# Allegro board MB1225_REVB_160222_1K.brd (continued)
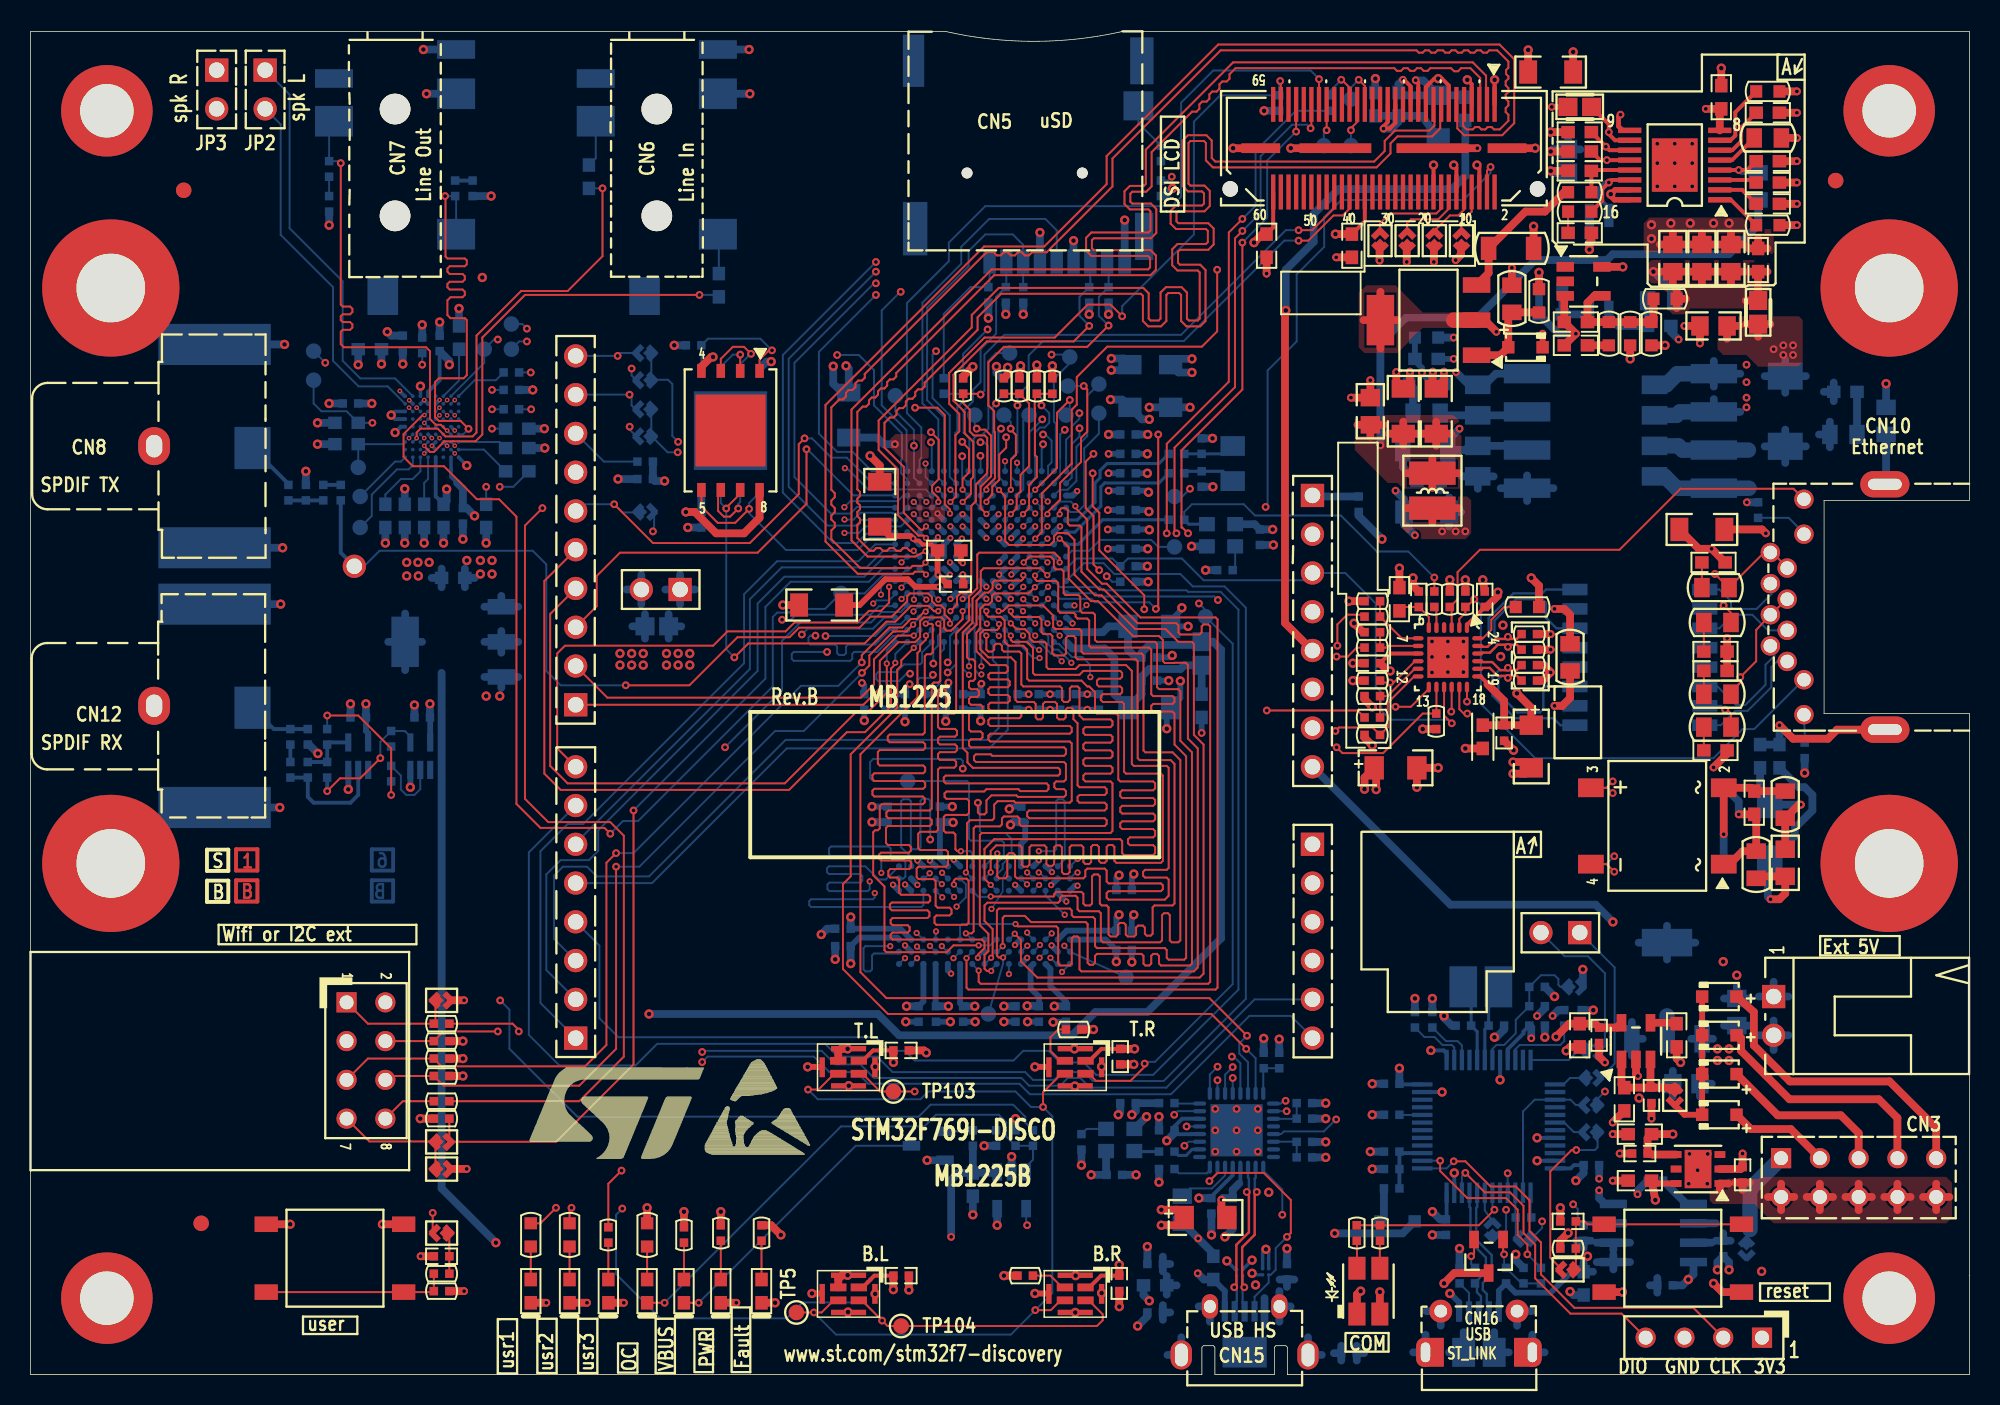
[diagram p0: board, top side]
## Routing (per net, layer and track width the routed paths; a pad name or vN(x,y) marks a point on that pad's centre or on a via; arc(x,y) is an arc through that point) (continued)
PC5: length 28.8
  TOP w0.127: R32.2 87.25,49.78 86.23,49.78 85.6,49.15 v2(85.6,47.75)
  L4_SIG w0.102: v3(65.01,48.42) 65.01,48.5 65.41,48.9 65.41,49.4 65.57,49.57 67.55,49.57 67.77,49.36 67.77,48.97 68.05,48.69 74.96,48.69 75.64,48.01 79.12,48.01 81.03,46.1 85.22,46.1 85.98,46.86 85.98,47.37 v2(85.6,47.75)
  BOTTOM w0.127: U13.P5 v3(65.01,48.42)
PC9: length 18.7
  TOP w0.127: U250.5 43.94,56.87 45.01,55.8 46.15,55.8 v2(47.07,56.72)
  BOTTOM w0.127: U12.5 47.75,57.78 47.07,57.1 v2(47.07,56.72) 47.07,56.44 49.48,54.03 54.18,54.03 54.97,54.81 57.05,54.81 U13.F14
PC10: length 21.3
  TOP w0.127: U250.2 v2(46.48,66.83)
  L4_SIG w0.102: v2(46.48,66.83) 46.56,66.83 47.57,65.81 49.86,65.81 50.85,66.8 v2(52.83,66.8)
  BOTTOM w0.127: U12.2 45.21,66.04 46,66.83 v2(46.48,66.83) ; v2(52.83,66.8) 54.25,66.8 55.24,65.81 55.24,63.5 57.07,61.67 57.07,59.97 57.02,59.92 57.02,59.05 57.43,58.65 U13.B14
PC11: length 110.8
  TOP w0.127: U8.4 54.45,4.86 v2(55.78,3.53) 56.13,3.17 TP104.1 69.85,3.17 70.23,3.56 70.23,3.94 69.31,4.86 U9.4
  L4_SIG w0.102: v2(57.86,60.86) 57.76,60.86 57.25,60.35 55.8,60.35 55.32,60.83 52.73,60.83 45.49,53.59 45.49,43.15 45.95,42.7 45.95,18.06 v2(38.76,10.87)
  BOTTOM w0.127: TP100.1 56.64,63.12 57.86,61.9 v2(57.86,60.86) 57.86,58.76 U13.B13 ; v2(55.78,3.53) 54.58,4.72 50.57,4.72 49.53,3.68 41.25,3.68 38.35,6.58 38.35,10.46 v2(38.76,10.87)
PC12: length 71
  TOP w0.127: v2(31.98,22.48) 31.98,22.58 31.57,22.99 R50.1
  L4_SIG w0.102: v2(31.98,22.48) 33.55,24.05 33.55,55.91 35.59,57.94 36.3,57.94 37.82,59.46 39.34,59.46 44.17,64.29 54.81,64.29 57,62.1 57.99,62.1 58.98,61.11 v2(58.98,61.09)
  BOTTOM w0.127: U13.A12 59.03,61.04 v2(58.98,61.09)
PC13: length 7.9
  BOTTOM w0.127: U13.D1 68.11,56.52 68.58,56.52 69.01,56.95 69.01,60.68 69.98,61.65 TP14.1
PC14: length 9.5
  BOTTOM w0.203: U13.E1 68.57,55.99 69.72,57.15 69.72,58.42 70.05,58.75 70.05,59.23 70.51,59.69 73.91,59.69 R97.2
PC15: length 9.1
  BOTTOM w0.203: U13.F1 68.4,55.19 70.1,56.9 70.1,58.17 70.36,58.42 73.91,58.42 R99.2
PD2: length 90.7
  TOP w0.127: v2(33.53,56.77) 32.38,55.63 32.38,37.72 33.91,36.2 37.97,36.2 38.86,35.31 38.86,20.83 35.94,17.91 R57.2 ; v3(59.46,57.18) 59.46,57.44 59.05,57.85 59.05,58.24 59.49,58.67 59.49,61.24 v2(58.98,61.75)
  L4_SIG w0.102: v2(58.98,61.75) 58.93,61.75 58.32,62.36 57.25,62.36 55.09,64.52 43.94,64.52 39.62,60.2 35.18,60.2 33.53,58.55 v2(33.53,56.77)
  BOTTOM w0.127: U13.D12 59.08,56.79 v3(59.46,57.18)
PD3: length 152.6
  TOP w0.127: U8.3 52.61,4.86 51.82,4.06 v2(51.31,4.06) TP5.1 ; v2(65.81,4.22) 66.83,4.22 67.47,4.86 U9.3 ; U5.3 52.65,19.71 51.61,18.67 v2(50.93,18.67) ; U6.3 67.53,19.71 66.32,18.49 v2(66.32,17.53)
  L4_SIG w0.102: v2(66.32,17.53) 66.7,17.91 73.66,17.91 74.42,17.14 74.42,16.51 75.44,15.49 75.95,15.49 76.71,14.73 76.71,14.35 77.34,13.72 82.42,13.72 83.95,15.24 83.95,16.89 84.33,17.27 85.22,17.27 85.6,17.65 85.6,28.07 90.17,32.64 90.17,44.07 89.53,44.7 89.53,48.97 85.72,52.78 85.72,55.37 84.95,56.15 83.05,56.15 81.34,57.86 80.31,57.86 79.98,57.53 76.45,57.53 v2(75.95,58.04) 75.64,58.34 67.11,58.34 66.65,58.8 62.53,58.8 62.41,58.67 60.45,58.67 60.11,58.33 60.1,58.33 59.89,58.12 59.89,58.12 59.77,57.99 v3(59.44,57.99)
  BOTTOM w0.127: U13.C11 v3(59.44,57.99) ; v2(51.31,4.06) 52.76,2.62 64.21,2.62 v2(65.81,4.22) 66.93,5.33 66.93,16.92 v2(66.32,17.53) 65.53,17.53 64.52,18.54 58.8,18.54 58.29,18.03 51.56,18.03 v2(50.93,18.67) ; TP102.1 75.44,57.53 v2(75.95,58.04)
PD4: length 115.7
  TOP w0.127: v2(57.94,63.35) 59.4,63.35 59.88,62.87 59.88,57.02 60.22,56.68 v3(60.22,56.41)
  L4_SIG w0.102: v2(30.76,24.51) 32.56,26.31 32.56,61.7 33.55,62.69 40.72,62.69 43.33,65.3 55.98,65.3 v2(57.94,63.35)
  BOTTOM w0.102: v3(60.22,56.41) 60.21,56.41 U13.D11
  BOTTOM w0.127: v2(30.76,24.51) 31.37,23.9 31.37,21.34 35.81,16.89 58.17,16.89 58.95,17.68 64.36,17.68 65.15,16.89 65.15,16.51 R129.2
PD5: length 41.9
  TOP w0.127: U3.10 90.68,46.74 89.28,45.34 v2(89.05,45.34) 88.52,45.34 R40.2
  L4_SIG w0.102: v3(60.25,57.98) 60.69,58.42 62.61,58.42 62.74,58.55 66.55,58.55 67.06,58.04 67.69,58.04 68.33,57.4 71.37,57.4 71.5,57.28 80.14,57.28 80.39,57.53 81.28,57.53 82.61,56.2 82.61,54.42 83.06,53.98 84.71,53.98 85.47,53.21 85.47,52.7 88.52,49.66 88.52,45.87 v2(89.05,45.34)
  BOTTOM w0.127: U13.C10 v3(60.25,57.98)
PD6: length 26.5
  BOTTOM w0.127: CN5.5 67.22,74.97 66.47,75.72 62.79,75.72 60.96,73.89 60.96,72.77 58.42,70.23 58.42,63.63 59.46,62.59 59.46,58.76 U13.B11
PD7: length 23.1
  BOTTOM w0.127: U13.A11 59.83,62.74 58.72,63.84 58.72,69.9 61.44,72.62 61.44,73.61 62.53,74.7 64.34,74.7 65.02,74.02 CN5.3 65.02,71.25 R81.1
PD11: length 108.7
  TOP w0.127: v2(74.42,55.12) 74.42,60.99 78.49,65.05 78.49,74.83 v2(79.38,75.72) ; v3(60.22,49.2) 60.22,49.45 59.87,49.81 59.87,50.16 59.64,50.39 59.32,50.39 59.04,50.67 59.04,50.93 58.79,51.18 57.61,51.18 57.42,50.99 57.42,50.66 56.41,49.66 55.02,49.66 54.29,48.93 50.34,48.93 49.71,48.31 46.3,48.31 43.15,45.16 v2(38.99,45.16)
  L4_SIG w0.102: v3(60.22,49.2) 61.72,49.2 62.13,48.79 62.84,48.79 63.04,49 63.04,51.76 63.26,51.97 63.5,51.97 63.8,52.27 63.8,52.48 64.1,52.77 64.3,52.77 64.6,53.07 64.6,53.26 64.9,53.57 65.02,53.57 65.68,54.23 68.71,54.23 69.34,54.86 74.17,54.86 v2(74.42,55.12)
  BOTTOM w0.127: v3(60.22,49.2) 60.62,49.59 U13.N10 ; v2(38.99,45.16) 34.72,45.16 33.78,46.1 33.78,53.09 32.89,53.98 22.86,53.98 21.84,52.96 TP20.1 ; R7.1 82.88,82.8 80.24,80.16 80.24,76.58 v2(79.38,75.72)
  BOTTOM w0.254: TP20.1 20.32,53.85 R100.1
PD12: length 82
  TOP w0.127: v3(60.25,50.02) 60.68,50.45 60.68,50.97 60.9,51.19 61.29,51.19 61.62,51.51 61.62,56.92 61.93,57.23 61.93,58.32 62.66,59.05 62.66,61.37 62.5,61.53 61.79,61.53 61.75,61.57 61.52,61.8 61.52,63.22 61.09,63.65 R17.1 62.18,64.26 v2(62.23,64.21) ; v2(83.06,74.98) 83.95,74.98 85.4,76.43 CN1.44
  L4_SIG w0.102: v2(32.77,65.66) 38.1,65.66 40.89,68.45 55.75,68.45 59.69,64.52 61.93,64.52 v2(62.23,64.21)
  BOTTOM w0.127: R88.1 v2(32.77,65.66) ; v2(62.23,64.21) 62.48,64.47 62.48,66.83 63.78,68.12 75.36,68.12 82.22,74.98 v2(83.06,74.98) ; U13.M10 v3(60.25,50.02)
PD13: length 28.4
  TOP w0.127: v3(59.45,50.02) 59.18,50.02 58.83,50.37 57.68,50.37 56.64,49.33 56.06,49.33 54.64,47.9 47.02,47.9 v2(46.1,46.99) ; U250.7 46.48,57.71 45.57,56.79 v2(45.57,56.74)
  BOTTOM w0.127: U13.M11 v3(59.45,50.02) ; v2(46.1,46.99) 45.57,47.52 v2(45.57,56.74) 45.21,57.1 U12.7
PE0: length 59.9
  L4_SIG w0.102: v3(64.08,26.24) 63.63,25.78 56.64,25.78 47.24,35.18 47.24,53.81 52.44,59 58.5,59 59.23,59.74 63.73,59.74 v3(63.83,59.84)
  BOTTOM w0.102: v3(63.83,59.84) U13.A6
  BOTTOM w0.127: U17.K9 v3(64.08,26.24)
PE1: length 62.6
  L4_SIG w0.102: v3(62.94,30.51) 61.25,27.85 60.92,27.33 60.74,27.05 60.73,27.05 60.67,26.99 60.5,26.87 59.16,26.16 56.74,26.16 47.55,35.36 47.55,53.65 52.6,58.7 58.57,58.7 64.08,59.48 v3(64.62,59.74)
  BOTTOM w0.102: v3(62.94,30.51) 63.68,31.65 63.68,32.51 U17.K1
  BOTTOM w0.127: U13.A5 64.62,59.21 v3(64.62,59.74)
PE2: length 28.7
  TOP w0.127: v2(47.19,66.88) 46.74,67.34 46,67.34 45.21,66.55 U250.3
  L4_SIG w0.102: v2(66.32,60.96) 64.87,62.41 62.94,62.41 62.1,63.25 59.62,63.25 55.23,67.64 47.96,67.64 v2(47.19,66.88)
  BOTTOM w0.127: U12.3 46.48,66.19 47.17,66.88 v2(47.19,66.88) ; U13.A3 66.23,60.64 66.32,60.73 v2(66.32,60.96)
PE3: length 54.1
  L4_SIG w0.089: 27.95,64.52 v4(27.29,63.85)
  L4_SIG w0.102: 27.95,64.52 30.1,66.66 30.1,68.07 32.26,70.23 58.67,70.23 62.1,66.8 66.85,66.8 v2(66.88,66.83)
  BOTTOM w0.089: U11.F2 v4(27.29,63.85)
  BOTTOM w0.127: v2(66.88,66.83) 67.92,66.83 TP11.1 68.07,66.27 67.03,65.23 67.03,62.43 67.16,62.31 67.16,59.32 U13.A2
PE4: length 56
  L4_SIG w0.089: v4(26.78,63.35) 27.01,63.58 27.94,63.58 28.37,64.01 28.45,64.01
  L4_SIG w0.102: 28.45,64.01 30.48,64.01 31.11,64.64 31.11,67.79 31.85,68.53 v2(32.51,68.53) 33.71,69.72 58.39,69.72 60.37,67.75 60.37,65.74 60.58,65.53 62.59,65.53 63.4,64.72 66.5,64.72 68.22,62.99 v2(68.7,62.99)
  BOTTOM w0.089: v4(26.78,63.35) U11.E3
  BOTTOM w0.127: v2(32.51,68.53) 32.21,68.83 TP6.1 ; U13.A1 67.83,61.25 68.2,61.62 68.2,62.12 68.7,62.62 v2(68.7,62.99)
PE5: length 53
  L4_SIG w0.102: v2(30.61,67.82) 32.77,69.98 58.47,69.98 63.4,65.05 67.59,65.05 69.22,63.42 69.22,62.51 v2(68.71,62)
  BOTTOM w0.127: U11.G1 29.72,66.28 TP8.1 30.35,67.82 v2(30.61,67.82) ; U13.B1 68.2,58.76 68.2,60.96 68.71,61.47 v2(68.71,62)
PE6: length 55.2
  L4_SIG w0.089: v4(26.79,62.85) 26.82,62.89 26.82,62.89 27.3,63.37 28.45,63.37
  L4_SIG w0.102: v2(67.74,61.9) 67.74,62.61 65.89,64.47 63.3,64.47 62.48,65.28 60.45,65.28 60.13,65.6 60.13,67.63 58.27,69.49 34.32,69.49 v2(32.51,67.69) 31.47,66.65 31.47,64.31 30.84,63.68 29.06,63.68 28.75,63.37 28.45,63.37
  BOTTOM w0.089: v4(26.79,62.85) U11.E4
  BOTTOM w0.102: 67.44,60.05 67.44,58.8 U13.B2
  BOTTOM w0.127: 67.44,60.05 67.44,61.59 v2(67.74,61.9) ; v2(32.51,67.69) 32,67.69 TP7.1
PF11: length 56.6
  TOP w0.127: v3(62.61,48.42) 62.61,47.5 62.73,47.37 62.99,47.37 63.12,47.5 63.12,47.75 63.25,47.88 63.5,47.88 63.63,47.75 63.63,47.5 63.75,47.37 64.77,47.37 64.9,47.24 64.9,45.21 65.02,45.09 67.44,45.09 67.56,44.96 67.56,44.2 67.69,44.07 67.94,44.07 68.07,44.2 68.07,44.96 68.2,45.09 68.58,45.09 68.71,44.96 68.71,43.18 68.96,42.93 70.74,42.93 70.87,42.8 70.87,42.55 70.74,42.42 69.09,42.42 68.96,42.29 68.96,42.04 69.09,41.91 70.74,41.91 70.87,41.78 70.87,41.53 70.74,41.4 69.09,41.4 68.96,41.27 68.96,41.02 69.09,40.89 70.74,40.89 70.87,40.77 70.87,40.51 70.74,40.39 69.09,40.39 68.96,40.26 68.96,40.01 69.09,39.88 70.74,39.88 70.87,39.75 70.87,39.5 70.74,39.37 69.09,39.37 68.96,39.24 68.96,38.99 69.09,38.86 70.74,38.86 70.87,38.73 70.87,35.61 70.74,35.48 62.31,35.48 62.18,35.36 62.18,29.44 62.74,28.88 62.74,27.74 62.48,27.48 62.48,26.59 62.64,26.44 v3(62.92,26.44)
  BOTTOM w0.127: U13.P8 v3(62.61,48.42) ; U17.J9 62.92,26.54 v3(62.92,26.44)
PG3: length 58.9
  TOP w0.127: v2(54.44,46.66) 54.44,47.13 56.26,48.95 57.1,48.95 57.66,49.5 58.06,49.5 58.54,49.98 v3(58.63,49.98) ; v2(38.35,34.16) 37.72,33.53 37.72,21.59 36.32,20.19 26.92,20.19 R56.2 22.1,20.7 CN2.5
  BOTTOM w0.127: v3(58.63,49.98) 58.63,50 U13.M12 ; v2(54.44,46.66) 52.91,45.12 50.46,45.12 39.5,34.16 v2(38.35,34.16)
PG4: length 57.6
  TOP w0.127: v3(62.1,28.12) 60.45,28.12 60.01,27.67 56.06,27.67 55.93,27.8 55.93,31.98 55.19,32.72 55.19,35.53 55.32,35.66 55.5,35.66 55.63,35.79 55.63,37.24 55.75,37.36 58.45,37.36 58.57,37.49 58.57,37.75 58.45,37.87 55.27,37.87 55.14,38 55.14,38.25 55.27,38.38 58.47,38.38 58.6,38.51 58.6,38.76 58.47,38.89 55.27,38.89 55.14,39.02 55.14,39.27 55.27,39.4 58.47,39.4 58.6,39.52 58.6,39.78 58.47,39.9 55.63,39.9 55.5,40.03 55.5,40.79 55.63,40.92 58.47,40.92 58.6,41.05 58.6,41.3 58.47,41.43 56.27,41.43 56.15,41.55 56.15,41.81 56.27,41.94 58.45,41.94 58.57,42.06 58.57,47.07 58.7,47.19 58.97,47.19 59.09,47.32 59.09,49.12 59.03,49.19 58.64,49.19 v3(58.64,49.2)
  BOTTOM w0.127: v3(62.1,28.12) 62.86,28.12 63.25,28.5 U17.J7 ; U13.N12 v3(58.64,49.2)
PG5: length 56.8
  TOP w0.127: v3(62.05,27.3) 62.05,27.51 62.48,27.94 62.48,28.35 62.33,28.5 56.46,28.5 56.34,28.63 56.34,28.83 56.46,28.96 57.45,28.96 57.58,29.08 57.58,29.31 57.45,29.44 56.46,29.44 56.34,29.57 56.34,29.78 56.46,29.91 58.75,29.91 58.88,30.04 58.88,30.29 58.75,30.42 56.41,30.42 56.29,30.54 56.29,30.8 56.41,30.93 58.8,30.93 58.93,31.05 58.93,31.31 58.8,31.43 57.02,31.43 56.9,31.56 56.9,32.44 56.77,32.56 56.31,32.56 56.18,32.69 56.18,32.99 56.31,33.12 57.56,33.12 57.68,33.25 57.68,33.55 57.56,33.68 55.7,33.68 55.58,33.81 55.58,34.06 55.7,34.19 57.53,34.19 57.66,34.32 57.66,34.57 57.53,34.7 56.16,34.7 56.03,34.82 56.03,35.81 56.16,35.94 58.9,35.94 59.03,36.07 59.03,36.32 58.9,36.45 56.18,36.45 56.06,36.58 56.06,36.83 56.18,36.96 58.9,36.96 59.03,37.08 59.03,45.21 59.16,45.34 59.46,45.34 59.59,45.47 59.59,49.07 v3(59.46,49.2)
  BOTTOM w0.127: v3(59.46,49.2) 59.46,49.23 U13.N11 ; U17.H8 62.45,27.7 v3(62.05,27.3)
PG6: length 58.7
  TOP w0.127: R52.1 27.43,15.32 SB6.1 34.43,15.25 39.5,20.32 v2(39.5,36.96)
  BOTTOM w0.127: v2(39.5,36.96) 48.13,45.59 48.13,50.29 49.78,51.94 54.91,51.94 55.77,52.79 U13.J15
PG7: length 67.8
  TOP w0.127: v4(25.8,62.86) 25.68,62.86 24.43,61.62 24.43,60.12 25.04,59.51 27.08,59.51 29.24,57.35 30.68,57.35 31.83,56.21 31.83,37.39 33.4,35.81 37.59,35.81 v2(37.97,35.43)
  BOTTOM w0.089: v4(25.8,62.86) U11.D3
  BOTTOM w0.127: v2(37.97,35.43) 38.81,36.27 39.8,36.27 48.62,45.09 48.62,49.63 48.91,49.92 49.7,49.92 49.94,50.16 52.04,50.16 53.06,51.18 TP22.1 54.64,51.18 55.85,52.4 57.03,52.4 U13.J14
PG8: length 56.5
  L4_SIG w0.102: v3(57.05,53.22) 57.12,53.14 57.12,52.32 57,52.2 56.76,52.2 56.64,52.32 56.64,53.16 56.52,53.29 56.23,53.29 56.1,53.16 56.1,52.01 55.99,51.89 55.82,51.89 55.7,52.01 55.7,53.14 55.58,53.26 54.84,53.26 54.38,52.81 54.38,48.72 54.48,48.62 55.98,48.62 56.08,48.51 56.08,48.31 55.98,48.21 54.51,48.21 54.38,48.08 54.38,47.88 54.51,47.75 55.96,47.75 56.08,47.62 56.08,47.45 55.96,47.32 55.42,47.32 55.3,47.19 55.3,45.34 55.42,45.21 55.68,45.21 55.8,45.34 55.8,45.64 55.93,45.77 56.18,45.77 56.31,45.64 56.31,44.86 57.15,44.02 58.01,44.02 58.47,43.56 58.47,43 61.52,39.95 61.52,39.42 61.65,39.29 62.18,39.29 62.31,39.17 62.31,38.96 62.18,38.84 61.14,38.84 61.01,38.96 61.01,39.65 v2(61.06,39.7)
  BOTTOM w0.102: U13.H14 v3(57.05,53.22)
  BOTTOM w0.127: v2(61.06,39.7) 61.06,40.21 60.93,40.34 55.19,40.34 54.99,40.13 54.99,39.09 55.19,38.89 TP26.1 61.34,38.89 61.47,38.76 61.47,35.1 61.59,34.98 63.63,34.98 63.75,34.85 63.75,33.96 63.28,33.49 U17.J1
PG9: length 24.7
  TOP w0.127: v3(61.05,57.17) 61.06,57.17 61.59,57.71 61.59,58.65 61.75,58.8 61.75,61.11 61.19,61.67 61.19,63.07 60.45,63.8 60.45,65.51 62.64,67.69 68.33,67.69 v2(69.34,68.71)
  BOTTOM w0.102: U13.D9 v3(61.05,57.17)
  BOTTOM w0.127: CN5.7 69.42,71.32 R80.1 68.71,70.61 68.71,69.37 69.34,68.73 v2(69.34,68.71)
PG10: length 22.9
  TOP w0.127: v3(62.61,57.97) 62.61,58.16 63.17,58.72 63.17,61.74 63.12,61.79 63.12,63.12 62.74,63.5 62.74,66.32 63.75,67.34 69.22,67.34 v2(70.61,68.73)
  BOTTOM w0.127: U13.C8 v3(62.61,57.97) ; v2(70.61,68.73) 69.98,69.37 69.98,70.61 R79.1 70.61,72.83 CN5.8
PG11: length 50.2
  TOP w0.127: v2(93.06,43.43) 93.09,43.46 U3.16
  L4_SIG w0.102: v2(93.06,43.43) 91.57,43.43 90.04,44.96 90.04,49.19 86.23,53 86.23,57.28 84.53,58.98 83.34,58.98 79.78,62.53 76.94,62.53 74.24,59.84 69.42,59.84 69.14,60.12 66.01,60.12 65.38,60.75 63.43,60.75 63.43,60.76 63.42,60.76 63.09,61.09 v2(62.22,61.09)
  BOTTOM w0.127: U13.B8 62.66,58.83 62.66,59.35 62.71,59.4 62.71,60.83 62.46,61.09 v2(62.22,61.09)
PG12: length 79.2
  TOP w0.127: v2(63.9,61.41) 63.91,61.41 63.91,60.73 63.45,60.27 63.45,58.62 62.99,58.17 62.99,57.66 62.61,57.28 v3(62.61,57.17) ; v2(19.43,38.23) 20.27,39.07 21.59,39.07 v2(22.91,40.39)
  L4_SIG w0.102: v2(63.9,61.41) 63.91,61.41 63.91,61.42 63.78,61.54 63.38,61.54 63.03,61.9 62.69,61.9 61.82,62.76 59.18,62.76 56.39,65.56 43.08,65.56 40.54,63.02 33.43,63.02 32.14,61.73 32.14,41.97 30.56,40.39 v2(22.91,40.39)
  BOTTOM w0.127: U15.4 24.88,41.81 24.54,42.14 24.53,42.14 24.51,42.16 R112.2 22.91,41.45 v2(22.91,40.39) ; U13.C7 v3(62.61,57.17)
  BOTTOM w0.254: R114.2 v2(19.43,38.23)
PG13: length 47.9
  TOP w0.127: U3.17 93.59,43.6 93.88,43.31 v2(94.11,43.31)
  L4_SIG w0.102: v2(94.11,43.31) 93.47,43.94 91.41,43.94 90.3,45.06 90.3,49.26 86.49,53.07 86.49,57.39 84.61,59.27 83.45,59.27 79.91,62.81 76.68,62.81 74.7,60.83 67.26,60.83 66.5,61.59 v2(66.32,61.59)
  BOTTOM w0.127: U13.B3 66.65,58.81 66.65,59.54 66.88,59.77 66.88,61.19 66.52,61.54 66.37,61.54 v2(66.32,61.59)
PG14: length 47
  TOP w0.127: U3.18 v2(94.09,44.09)
  L4_SIG w0.102: v2(94.09,44.09) 93.98,44.2 91.57,44.2 90.55,45.21 90.55,49.38 86.74,53.19 86.74,57.52 84.7,59.56 83.57,59.56 80.01,63.12 76.48,63.12 74.42,61.06 67.46,61.06 66.75,61.77 66.75,61.77 66.27,62.26 v2(66.27,62.59)
  BOTTOM w0.127: U13.A4 65.43,61.75 v2(66.27,62.59)
PG15: length 58.3
  TOP w0.127: v3(63.43,57.96) 63.84,57.55 63.84,54.61 64.09,54.36 66.78,54.36 67.04,54.61 67.04,54.92 67.25,55.14 67.92,55.14 68.38,54.69 68.38,52.4 69.72,51.05 70.15,51.05 72.36,48.84 74.35,48.84 75.18,48.01 76.07,48.01 76.2,47.88 76.2,41.91 76.83,41.27 76.83,26.26 76.58,26.01 65.94,26.01 64.87,27.08 64.87,28.47 64.47,28.88 v3(64.46,28.88)
  BOTTOM w0.127: v3(63.43,57.96) 63.03,58.36 U13.B7 ; U17.K7 v3(64.46,28.88)
PH0: length 7.4
  BOTTOM w0.203: U13.G1 68.62,54.39 70.23,56.01 R104.2
PH1: length 7.7
  BOTTOM w0.127: U13.H1 68.21,53.98 69.34,53.98 70.05,54.69 73.41,54.69 73.86,54.23 TP21.1
PH2: length 56.3
  TOP w0.127: v2(62.05,37.47) 62.05,36.83 62.18,36.7 62.48,36.7 62.61,36.83 62.61,37.62 62.94,37.95 64.57,37.95 64.67,37.85 67.69,37.85 67.82,37.97 67.82,38.23 67.69,38.35 67.18,38.35 67.06,38.48 67.06,38.73 67.18,38.86 67.69,38.86 67.82,38.99 67.82,40.01 67.69,40.13 61.93,40.13 61.8,40.26 61.8,40.51 61.93,40.64 62.89,40.64 62.99,40.54 67.69,40.54 67.82,40.67 67.82,40.97 67.69,41.1 61.59,41.1 61.47,41.22 61.47,41.5 61.59,41.62 62.23,41.62 62.36,41.75 62.36,42 62.23,42.13 61.59,42.13 61.47,42.26 61.47,43.25 61.59,43.38 62.23,43.38 62.36,43.5 62.36,43.76 62.23,43.88 61.59,43.88 61.47,44.01 61.47,44.26 61.59,44.39 62,44.39 62.13,44.52 62.13,44.77 62,44.9 61.59,44.9 61.47,45.03 61.47,45.36 61.56,45.45 61.75,45.45 61.87,45.58 61.87,46.71 61.72,46.86 61.47,46.86 61.34,46.99 61.34,48.51 61.96,49.14 61.96,50.71 62.48,51.23 62.74,51.23 63.02,51.51 63.02,51.89 63.14,52.02 64.9,52.02 65.02,52.15 v3(65.02,52.37)
  BOTTOM w0.102: U13.K4 65.05,52.37 v3(65.02,52.37)
  BOTTOM w0.127: v2(62.05,37.47) 62.18,37.34 62.18,35.61 62.31,35.48 63.86,35.48 64.26,35.08 64.26,34.04 63.68,33.45 63.68,33.15 63.28,32.75 U17.J2
PH3: length 57.2
  TOP w0.127: v3(63.68,28.07) 63.68,29.92 63.8,30.05 65.13,30.05 65.53,29.64 69.11,29.64 69.24,29.51 69.24,26.97 69.37,26.85 69.6,26.85 69.72,26.97 69.72,27.43 69.85,27.56 72.77,27.56 72.9,27.43 72.9,26.92 73.02,26.8 73.28,26.8 73.4,26.92 73.4,27.43 73.53,27.56 73.79,27.56 73.91,27.43 73.91,26.92 74.04,26.8 75.95,26.8 76.07,26.92 76.07,40.77 75.31,41.53 75.31,44.78 75.18,44.91 73.91,44.91 73.79,45.03 73.79,47.88 73.66,48.01 69.85,48.01 69.72,48.13 69.72,49.78 69.6,49.91 68.88,49.91 68.76,50.04 68.76,50.95 68.63,51.08 67.79,51.08 67.67,51.21 67.67,52.63 67.54,52.76 67.16,52.76 67.03,52.88 67.03,53.37 66.8,53.59 65.43,53.59 v3(65.05,53.21)
  BOTTOM w0.102: U13.J4 65.43,52.83 v3(65.05,53.21)
  BOTTOM w0.127: v3(63.68,28.07) 63.31,27.7 U17.J8
PH4: length 47
  L4_SIG w0.102: v3(65.81,53.22) 65.81,53.11 65.41,52.7 65.41,52.25 65.17,52.01 64.92,52.01 64.65,51.74 64.65,48.27 64.86,48.06 65.15,48.06 65.41,47.8 65.41,46.78 66.84,45.34 67.64,45.34 68.4,44.58 68.4,43.74 69.01,43.13 70.99,43.13 71.25,43.38 76.61,43.38 77.52,42.47 77.52,20.68 77.29,20.45 77.29,19.74 v2(77.74,19.28)
  BOTTOM w0.102: U13.H4 v3(65.81,53.22)
  BOTTOM w0.127: U20.2 v2(77.74,19.28)
PH5: length 60.3
  TOP w0.127: v3(63.7,27.32) 63.42,27.32 63.3,27.45 63.3,30.4 63.42,30.53 68.07,30.53 68.2,30.4 68.2,30.1 68.33,29.97 69.6,29.97 69.72,29.84 69.72,28.07 69.85,27.94 74.29,27.94 74.42,27.81 74.42,27.3 74.55,27.18 75.56,27.18 75.69,27.3 75.69,40.51 74.93,41.27 74.93,43.31 74.8,43.43 73.53,43.43 73.41,43.56 73.41,43.81 73.53,43.94 74.8,43.94 74.93,44.07 74.93,44.32 74.8,44.45 73.53,44.45 73.41,44.58 73.41,47.5 73.28,47.62 69.47,47.62 69.34,47.75 69.34,49.4 69.22,49.53 68.58,49.53 68.45,49.66 68.45,49.78 68.33,49.91 67.44,49.91 67.31,50.04 67.31,51.87 67.18,51.99 65.92,51.99 65.79,52.12 v3(65.79,52.35)
  BOTTOM w0.102: v3(65.79,52.35) 65.79,52.36 U13.J3
  BOTTOM w0.127: U17.K8 63.71,27.32 v3(63.7,27.32) 63.7,26.92 TP28.1
PH7: length 55.5
  TOP w0.127: CN2.6 23.5,19.56 R54.2 27.05,18.92 35.94,18.92 38.35,21.34 v2(38.35,33.27) ; v3(57.81,49.14) 57.37,48.69 56.52,48.69 54.94,47.12 54.94,46.46 v2(54.46,45.97)
  BOTTOM w0.102: v3(57.81,49.14) 57.81,49.17 U13.N13
  BOTTOM w0.127: v2(38.35,33.27) 39.88,33.27 48.77,42.16 50.65,42.16 v2(54.46,45.97)
PI4: length 58.5
  L4_SIG w0.102: v3(66.62,57.2) 66.22,57.61 65.53,57.61 64.81,58.33 63.17,58.33 63.04,58.2 63.04,57.71 62.92,57.58 59.23,57.58 58.85,57.96 58.42,58.39 52.83,58.39 47.85,53.42 47.85,35.51 52.88,30.48 53.9,30.48 54.23,30.15 54.23,29.21 56.95,26.49 59.13,26.49 59.92,27.28 v3(60.45,27.28)
  BOTTOM w0.102: U13.C3 66.23,57.59 v3(66.62,57.2)
  BOTTOM w0.127: U17.F8 60.87,27.7 v3(60.45,27.28)
PI5: length 60.9
  L4_SIG w0.102: v3(60.66,30.66) 60.66,28.47 58.98,26.8 57.07,26.8 54.61,29.26 54.61,30.2 54.03,30.78 53.01,30.78 52.98,30.81 48.16,35.64 48.16,53.29 52.91,58.04 58.37,58.04 59.05,57.35 59.05,57 59.28,56.77 62.87,56.77 63.65,57.56 65.12,57.56 65.48,57.2 v3(65.81,57.2)
  BOTTOM w0.102: U13.D3 65.87,57.15 65.86,57.15 v3(65.81,57.2)
  BOTTOM w0.127: v3(60.66,30.66) 61.26,31.27 61.26,32.12 U17.F2
PI8: length 8.8
  BOTTOM w0.127: TP12.1 69.22,64.14 69.22,61.49 68.5,60.78 68.5,58.55 67.93,57.97 67.41,57.97 U13.C2
PI11: length 77.7
  L4_SIG w0.102: v2(74.91,17.02) 74.91,16.4 75.56,15.75 76.2,15.75 77.09,14.86 77.09,14.48 77.47,14.1 82.09,14.1 83.69,15.7 83.69,17.4 85.22,18.92 85.22,28.32 89.87,32.97 89.87,43.94 89.4,44.41 89.32,44.41 88.27,45.47 88.27,49.53 85.22,52.58 85.22,52.96 84.58,53.59 82.8,53.59 82.17,54.23 82.17,56.26 81.15,57.28 80.64,57.28 80.39,57.02 71.25,57.02 71.12,57.15 69.6,57.15 68.41,55.96 66.99,55.96 v3(66.61,55.57)
  BOTTOM w0.102: U13.F3 v3(66.61,55.57)
  BOTTOM w0.127: v2(74.91,17.02) 75.14,17.25 U20.31
PI12: length 11.1
  TOP w0.127: v3(66.61,56.37) 66.61,56.5 67.44,57.33 67.44,58.42 68.81,59.79 68.81,61.37 69.22,61.77 69.22,64.54 v2(68.99,64.77)
  BOTTOM w0.102: U13.E3 v3(66.61,56.37)
  BOTTOM w0.127: v2(68.99,64.77) TP13.1
PI13: length 50.5
  TOP w0.127: v2(95.63,79.12) 95.4,78.89 CN1.4
  L4_SIG w0.102: v3(66.61,54.77) 67.05,55.22 69.19,55.22 69.85,55.88 73.86,55.88 74.63,56.64 80.7,56.64 v2(80.9,56.85)
  BOTTOM w0.102: U13.G3 v3(66.61,54.77)
  BOTTOM w0.127: v2(95.63,79.12) 95.63,78.74 93.85,76.96 85.85,76.96 84.73,75.84 84.73,73.89 82.93,72.09 82.93,67.69 81.03,65.79 81.03,56.97 v2(80.9,56.85)
PI14: length 42
  TOP w0.127: v2(79.38,74.17) 79.38,64.54 75.39,60.55 75.39,55.5 75.44,55.5 v2(75.82,55.12) ; CN1.53 v2(82.9,81.44)
  L4_SIG w0.102: v3(66.61,53.22) 66.98,53.59 74.3,53.59 v2(75.82,55.12)
  BOTTOM w0.102: U13.H3 v3(66.61,53.22)
  BOTTOM w0.127: v2(82.9,81.44) 81,79.55 81,75.79 v2(79.38,74.17)
PI15: length 36.5
  TOP w0.127: v3(65.81,54.77) 66.24,55.2 66.24,57.73 68.2,59.69 68.2,63.22 68.53,63.55 68.53,65.35 70.52,67.35 76.72,67.35 77.72,68.35 v2(77.72,72.39)
  L4_SIG w0.102: v2(77.72,72.39) 77.72,76.12 75.36,78.49 v2(74.75,78.49)
  BOTTOM w0.102: U13.G4 v3(65.81,54.77)
  BOTTOM w0.127: R73.1 R76.1 74.5,78.23 v2(74.75,78.49)
PJ2: length 49.9
  TOP w0.127: CN1.49 83.9,81.71 v2(83.85,81.66) ; v2(75.06,55.12) 74.93,55.24 74.93,60.73 78.89,64.69 78.89,74.45 v2(79.38,74.93)
  L4_SIG w0.102: v3(63.42,48.4) 63.83,48.81 63.83,51.71 64.18,52.06 64.39,52.06 64.67,52.34 64.67,52.52 64.89,52.74 65.08,52.74 65.45,53.11 65.45,53.39 65.96,53.9 68.86,53.9 69.57,54.61 74.55,54.61 v2(75.06,55.12)
  BOTTOM w0.127: v3(63.42,48.4) U13.P7 ; v2(79.38,74.93) 80.57,76.12 80.57,79.83 82.63,81.89 83.62,81.89 v2(83.85,81.66)
PJ5: length 54.5
  TOP w0.127: v2(35.43,10.92) 35.31,10.79 R63.1
  L4_SIG w0.102: v2(35.43,10.92) 35.69,11.18 38.1,11.18 45.49,18.57 v2(45.49,41.1)
  BOTTOM w0.127: v2(45.49,41.1) 49.23,44.83 49.23,48.08 50.42,49.28 55.05,49.28 55.73,49.96 57,49.96 U13.M14
PJ12: length 46.4
  L4_SIG w0.089: v4(27.79,62.86) 28.33,62.86 28.45,62.74
  L4_SIG w0.102: v2(59.31,67.06) 58.35,67.06 56.19,69.22 34.8,69.22 31.75,66.17 31.75,63.63 30.86,62.74 28.45,62.74
  BOTTOM w0.089: U11.G3 v4(27.79,62.86)
  BOTTOM w0.127: U13.B10 60.21,58.81 60.21,62.85 59.08,63.98 59.08,66.83 v2(59.31,67.06)
PJ13: length 72.7
  TOP w0.127: v2(34.42,10.92) 33.4,9.91 R62.1
  L4_SIG w0.102: v2(34.42,10.92) 35.18,11.68 38,11.68 45.03,18.72 45.03,53.54 52.91,61.42 57.94,61.42 58.32,61.04 58.32,60.63 58.78,60.17 v2(61.02,60.17)
  BOTTOM w0.127: U13.B9 61.02,58.8 v2(61.02,60.17)
PJ14: length 80.8
  TOP w0.127: v2(30.61,22.48) 27.05,22.48 R200.2 CN2.4 ; v2(61.02,61.11) 61.02,61.09 61.47,60.64 61.47,59.11 61.05,58.69 v3(61.05,57.98)
  L4_SIG w0.102: v2(61.02,61.11) 59.91,62.23 58.9,62.23 58.52,62.61 57.45,62.61 55.3,64.77 43.69,64.77 39.5,60.58 35.05,60.58 32.92,58.45 32.92,24.79 v2(30.61,22.48)
  BOTTOM w0.127: U13.C9 v3(61.05,57.98)
PJ15: length 46.6
  TOP w0.127: v2(81.85,84.76) 81.9,84.71 CN1.57 ; v3(60.25,57.17) 60.62,57.54 60.62,58.5 60.58,58.53 60.58,61.54 60.83,61.8 60.83,62.94 60.17,63.6 60.17,65.63 62.48,67.94 67.08,67.94 69.24,70.1 70.74,70.1 v2(71.5,69.34)
  BOTTOM w0.102: U13.D10 v3(60.25,57.17)
  BOTTOM w0.127: v2(71.5,69.34) 71.5,70 76.2,74.7 76.2,82.09 77.93,83.82 R8.2 81.79,84.69 v2(81.85,84.76)
PK3: length 12
  BOTTOM w0.127: TP9.1 63.25,66.93 62.74,66.42 62.74,61.98 62.29,61.53 61.99,61.53 61.77,61.32 61.77,59.37 61.85,59.3 61.85,57.17 U13.D8
PK4: length 8.2
  TOP w0.127: v3(62.61,56.39) 62.23,56.77 62.23,58.17 62.92,58.85 62.92,61.52 62.52,61.91 62.05,61.91 61.99,61.98 v2(61.98,61.98)